# Altium PCB PCB.PcbDoc (part 1 of 10) (continued)
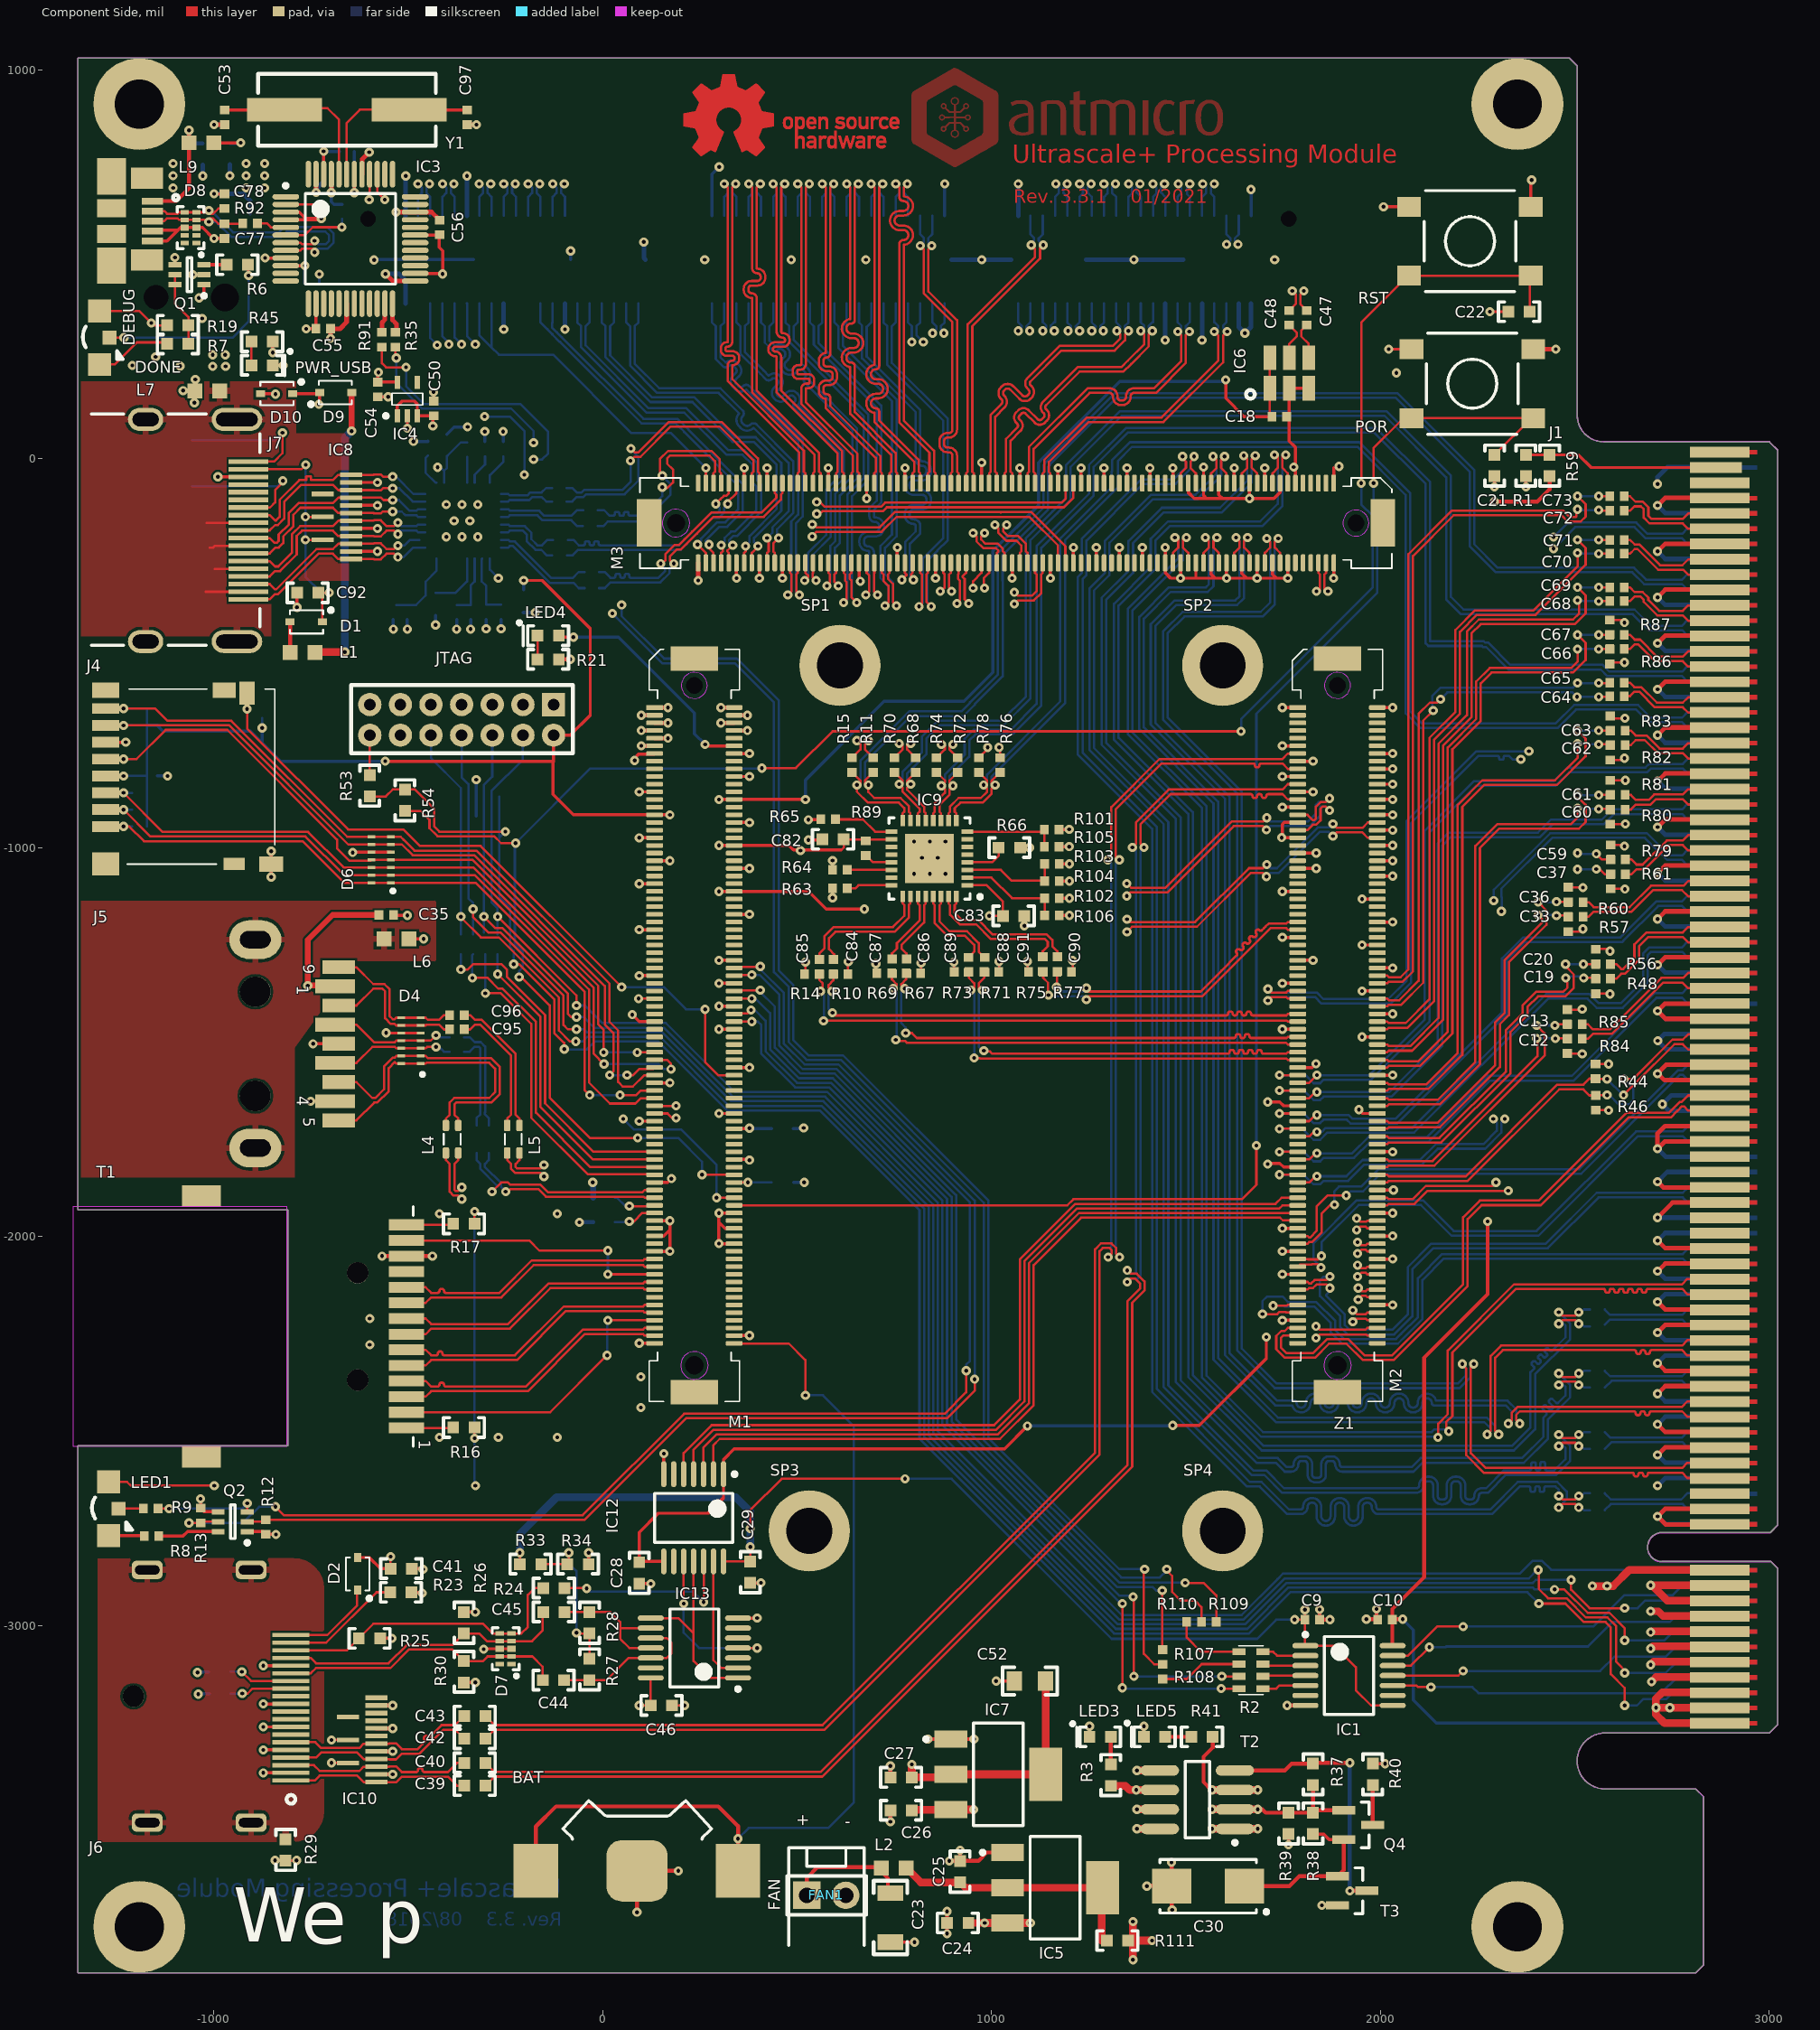
[diagram p0: Component Side view]
## Classes and differential pairs (continued)
differential pair LVDS_S1_D1: +LVDS_S1_D1_P -LVDS_S1_D1_N
differential pair LVDS_S1_CTRL: +LVDS_S1_CTRL_P -LVDS_S1_CTRL_N
differential pair USB_SS_TX: +USB_SS_TX_P -USB_SS_TX_N
differential pair USB_SS_RX: +USB_SS_RX_P -USB_SS_RX_N
differential pair PREPROC_C_LVDS_9: +PREPROC_C_LVDS_9_P -PREPROC_C_LVDS_9_N
differential pair DP3_M2C: +DP3_M2C_P -DP3_M2C_N
differential pair DP2_M2C: +DP2_M2C_P -DP2_M2C_N
differential pair DP1_M2C: +DP1_M2C_P -DP1_M2C_N
differential pair DP0_M2C: +DP0_M2C_P -DP0_M2C_N
differential pair PREPROC_LVDS_10: +PREPROC_LVDS_10_P -PREPROC_LVDS_10_N
differential pair DUMMY_4: +DUMMY_4_P -DUMMY_4_N
differential pair DUMMY_3: +DUMMY_3_P -DUMMY_3_N
differential pair DUMMY_2: +DUMMY_2_P -DUMMY_2_N
differential pair DUMMY_1: +DUMMY_1_P -DUMMY_1_N
differential pair US_PROC_LVDS_C_4_SSCLK: +US_PROC_LVDS_C_4_SSCLK_P -US_PROC_LVDS_C_4_SSCLK_N
differential pair US_PROC_LVDS_C_3: +US_PROC_LVDS_C_3_P -US_PROC_LVDS_C_3_N
differential pair US_PROC_LVDS_C_2: +US_PROC_LVDS_C_2_P -US_PROC_LVDS_C_2_N
differential pair US_PROC_LVDS_C_1: +US_PROC_LVDS_C_1_P -US_PROC_LVDS_C_1_N
differential pair US_HDMI_C_D2: +US_HDMI_C_D2_P -US_HDMI_C_D2_N
differential pair US_HDMI_C_D1: +US_HDMI_C_D1_P -US_HDMI_C_D1_N
differential pair US_HDMI_C_D0: +US_HDMI_C_D0_P -US_HDMI_C_D0_N
differential pair US_HDMI_C_CLK: +US_HDMI_C_CLK_P -US_HDMI_C_CLK_N
differential pair GBT_CLK0_M2C_C: +GBT_CLK0_M2C_C_P -GBT_CLK0_M2C_C_N
differential pair PROC_LVDS_SSCLK: +PROC_LVDS_SSCLK_P -PROC_LVDS_SSCLK_N
differential pair PROC_LVDS_9: +PROC_LVDS_9_P -PROC_LVDS_9_N
differential pair PROC_LVDS_8: +PROC_LVDS_8_P -PROC_LVDS_8_N
differential pair PROC_LVDS_7: +PROC_LVDS_7_P -PROC_LVDS_7_N
differential pair PROC_LVDS_6: +PROC_LVDS_6_P -PROC_LVDS_6_N
differential pair PROC_LVDS_5: +PROC_LVDS_5_P -PROC_LVDS_5_N
differential pair PROC_LVDS_4_SSCLK: +PROC_LVDS_4_SSCLK_P -PROC_LVDS_4_SSCLK_N
differential pair PROC_LVDS_3: +PROC_LVDS_3_P -PROC_LVDS_3_N
differential pair PROC_LVDS_2: +PROC_LVDS_2_P -PROC_LVDS_2_N
differential pair PROC_LVDS_1: +PROC_LVDS_1_P -PROC_LVDS_1_N
differential pair PREPROC_LVDS_SSCLK: +PREPROC_LVDS_SSCLK_P -PREPROC_LVDS_SSCLK_N
differential pair PREPROC_LVDS_9: +PREPROC_LVDS_9_P -PREPROC_LVDS_9_N
differential pair PREPROC_LVDS_8: +PREPROC_LVDS_8_P -PREPROC_LVDS_8_N
differential pair PREPROC_LVDS_7: +PREPROC_LVDS_7_P -PREPROC_LVDS_7_N
differential pair PREPROC_LVDS_6: +PREPROC_LVDS_6_P -PREPROC_LVDS_6_N
differential pair PREPROC_LVDS_5: +PREPROC_LVDS_5_P -PREPROC_LVDS_5_N
differential pair USB_TX_L: +USB_TX_L_P -USB_TX_L_N
differential pair DP3_C: +DP0_C_P -DP0_C_N
differential pair DP2_C: +DP1_C_P -DP1_C_N
differential pair DP1_C: +DP2_C_P -DP2_C_N
differential pair DP0_C: +DP3_C_P -DP3_C_N
differential pair DP0_C2M: +DP0_C2M_P -DP0_C2M_N
differential pair DP1_C2M: +DP1_C2M_P -DP1_C2M_N
differential pair DP2_C2M: +DP2_C2M_P -DP2_C2M_N
differential pair DP3_C2M: +DP3_C2M_P -DP3_C2M_N
differential pair ETH_A: +ETH_A_P -ETH_A_N
differential pair ETH_B: +ETH_B_P -ETH_B_N
differential pair ETH_C: +ETH_C_P -ETH_C_N
differential pair ETH_D: +ETH_D_P -ETH_D_N
differential pair GBT_CLK0_M2C: +GBT_CLK0_M2C_P -GBT_CLK0_M2C_N
differential pair US_HDMI_CLK: +US_HDMI_D2_P -US_HDMI_D2_N
differential pair US_HDMI_D0: +US_HDMI_D1_P -US_HDMI_D1_N
differential pair US_HDMI_D1: +US_HDMI_D0_P -US_HDMI_D0_N
differential pair US_HDMI_D2: +US_HDMI_CLK_P -US_HDMI_CLK_N
differential pair USB_D_L: +USB_D_L_P -USB_D_L_N
differential pair USB_RX_L: +USB_RX_L_P -USB_RX_L_N
differential pair PROC_LVDS_0: +PROC_LVDS_0_P -PROC_LVDS_0_N
differential pair DP_AUX_C: +DP_AUX_C_P -DP_AUX_C_N
differential pair DP_AUX: +DP_AUX_P -DP_AUX_N
differential pair GT0_DP_TX_C: +GT0_DP_TX_C_P -GT0_DP_TX_C_N
differential pair GT1_DP_TX_C: +GT1_DP_TX_C_P -GT1_DP_TX_C_N
differential pair GT0_DP_TX: +GT0_DP_TX_P -GT0_DP_TX_N
differential pair GT1_DP_TX: +GT1_DP_TX_P -GT1_DP_TX_N
differential pair PREPROC_C_LVDS_0: +PREPROC_C_LVDS_0_P -PREPROC_C_LVDS_0_N
differential pair PREPROC_C_LVDS_1: +PREPROC_C_LVDS_1_P -PREPROC_C_LVDS_1_N
differential pair PREPROC_C_LVDS_2: +PREPROC_C_LVDS_2_P -PREPROC_C_LVDS_2_N
differential pair PREPROC_C_LVDS_3: +PREPROC_C_LVDS_3_P -PREPROC_C_LVDS_3_N
differential pair PREPROC_C_LVDS_4_SSCLK: +PREPROC_C_LVDS_4_SSCLK_P -PREPROC_C_LVDS_4_SSCLK_N
differential pair PREPROC_C_LVDS_5: +PREPROC_C_LVDS_5_P -PREPROC_C_LVDS_5_N
differential pair PREPROC_C_LVDS_6: +PREPROC_C_LVDS_6_P -PREPROC_C_LVDS_6_N
differential pair PREPROC_C_LVDS_7: +PREPROC_C_LVDS_7_P -PREPROC_C_LVDS_7_N
differential pair PREPROC_C_LVDS_8: +PREPROC_C_LVDS_8_P -PREPROC_C_LVDS_8_N
differential pair PREPROC_C_LVDS_SSCLK: +PREPROC_C_LVDS_SSCLK_P -PREPROC_C_LVDS_SSCLK_N
differential pair PREPROC_LVDS_0: +PREPROC_LVDS_0_P -PREPROC_LVDS_0_N
differential pair PREPROC_LVDS_1: +PREPROC_LVDS_1_P -PREPROC_LVDS_1_N
differential pair PREPROC_LVDS_2: +PREPROC_LVDS_2_P -PREPROC_LVDS_2_N
differential pair PREPROC_LVDS_3: +PREPROC_LVDS_3_P -PREPROC_LVDS_3_N
differential pair PREPROC_LVDS_4_SSCLK: +PREPROC_LVDS_4_SSCLK_P -PREPROC_LVDS_4_SSCLK_N
differential pair HDMI_OUT_CLK: +HDMI_OUT_CLK_P -HDMI_OUT_CLK_N
differential pair HDMI_OUT_D0: +HDMI_OUT_D0_P -HDMI_OUT_D0_N
differential pair HDMI_OUT_D1: +HDMI_OUT_D1_P -HDMI_OUT_D1_N
differential pair HDMI_OUT_D2: +HDMI_OUT_D2_P -HDMI_OUT_D2_N
differential pair US_PROC_LVDS_1: +US_PROC_LVDS_1_P -US_PROC_LVDS_1_N
differential pair US_PROC_LVDS_2: +US_PROC_LVDS_2_P -US_PROC_LVDS_2_N
differential pair US_PROC_LVDS_3: +US_PROC_LVDS_3_P -US_PROC_LVDS_3_N
differential pair US_PROC_LVDS_4_SSCLK: +US_PROC_LVDS_4_SSCLK_P -US_PROC_LVDS_4_SSCLK_N
differential pair DEBUG_USB_D: +DEBUG_USB_D_P -DEBUG_USB_D_N
differential pair USB_D: +USB_D_P -USB_D_N
differential pair S3_P2: +S3_P2_P -S3_P2_N
differential pair PREPROC_LVDS_11: +PREPROC_LVDS_11_P -PREPROC_LVDS_11_N
differential pair PREPROC_LVDS_12: +PREPROC_LVDS_12_P -PREPROC_LVDS_12_N
differential pair PREPROC_LVDS_13: +PREPROC_LVDS_13_P -PREPROC_LVDS_13_N
differential pair PREPROC_LVDS_14: +PREPROC_LVDS_14_P -PREPROC_LVDS_14_N
differential pair PREPROC_LVDS_15: +PREPROC_LVDS_15_P -PREPROC_LVDS_15_N
differential pair C_USB_D_L: +C_USB_D_L_P -C_USB_D_L_N
differential pair C_USB_TX_L: +C_USB_TX_L_P -C_USB_TX_L_N

## Components (designator, comment, footprint, x,y, rotation, side; value= is the part's Value field where it differs from the comment)
BAT "3030" KEYSTONE_CR1025 88.58,-3629.92 r180 top
BS0 "*" Testpad 2173.23,-3157.48 r90 bottom
BS1 "*" Testpad 2259.84,-3116.14 r180 bottom
BS2 "*" Testpad 2169.29,-3053.15 r90 bottom
BS3 "*" Testpad 2259.84,-3001.97 r90 bottom
C1 "100n" 0402 2557.87,-2702.76 r180 bottom
C2 "100n" 0402 2557.87,-2659.45 r180 bottom
C3 "100n" 0402 2557.87,-2545.28 r180 bottom
C4 "100n" 0402 2557.87,-2501.97 r180 bottom
C5 "100n" 0402 2557.87,-2387.8 r180 bottom
C6 "100n" 0402 2557.87,-2344.49 r180 bottom
C7 "100n" 0402 2557.87,-2226.38 r180 bottom
C8 "100n" 0402 2557.87,-2187.01 r180 bottom
C9 "100n" 0402 1824.8,-2984.25 r180 top
C10 "100n" 0402 2011.81,-2984.25 r0 top
C11 "100n" 0603#1 -398,35.59 r270 bottom
C12 "100n" 0402 2500,-1491.34 r180 top
C13 "100n" 0402 2499.8,-1453.8 r180 top
C14 "100n" 0603#1 -202.76,-368.11 r90 bottom
C15 "1u" 0603#1 -1172,-815.43 r180 bottom
C16 "100n" 0402 -111,-110.24 r180 bottom
C17 "100n" 0402 -111,-75 r180 bottom
C18 "100n" 0402 1740.16,108.27 r180 top
C19 "100n" 0402 2572.64,-1336.61 r180 top
C20 "100n" 0402 2572.64,-1299.21 r180 top
C21 "100n" 0603#1 2293.31,-17.72 r90 top
C22 "100n" 0603#1 2356.3,377.95 r0 top
C23 "47u" 1206 740.22,-3750 r90 top
C24 "4u7" 0603#1 913.39,-3763.78 r0 top
C25 "4u7" 0603#1 919.29,-3631.89 r270 top
C26 "4u7" 0603#1 767.72,-3474.41 r0 top
C27 "4u7" 0603#1 767.72,-3389.76 r0 top
C28 "100n" 0603#1 94.49,-2864.17 r90 top
C29 "100n" 0603#1 379.92,-2862.2 r90 top
C30 "" KEMET_C 1557.09,-3669.29 r180 top
C31 "100n" 0402 -31.5,-173.23 r180 bottom
C32 "100n" 0402 -30.66,-131.89 r180 bottom
C33 "100n" 0402 2501.97,-1177.17 r180 top
C34 "100n" 0402 -110.24,-248.03 r180 bottom
C35 "100n" 0402 -556,-1173 r180 top
C36 "100n" 0402 2501.97,-1139.76 r180 top
C37 "100n" 0402 2611.02,-1067.85 r180 top
C39 "100n" 0603#1 -328.43,-3410.87 r180 top
C40 "100n" 0603#1 -328.43,-3352.53 r180 top
C41 "100n" 0603#1 -517.43,-2853.24 r0 top
C42 "100n" 0603#1 -328.43,-3290.26 r180 top
C43 "100n" 0603#1 -328.43,-3231.93 r180 top
C44 "100n" 0603#1 -125.98,-3139.76 r180 top
C45 "100n" 0603#1 -125,-2964.63 r180 top
C46 "100n" 0603#1 151.57,-3204.72 r180 top
C47 "100n" 0402 1811.02,362.2 r90 top
C48 "100n" 0402 1765.75,362.2 r90 top
C49 "100n" 0603#1 -958,783 r90 bottom
C50 "100n" 0402 -434.32,128.94 r270 top
C52 "100u" 0805 1099,-3142 r0 top
C53 "18p" 0402 -971.16,877.44 r90 top
C54 "100n" 0402 -577.38,178 r90 top
C55 "100n" 0402 -718,334 r180 top
C56 "100n" 0402 -419,594.53 r270 top
C57 "100n" 0402 -747,450 r180 bottom
C59 "100n" 0402 2611.02,-1030.45 r180 top
C60 "100n" 0402 2610.28,-901.71 r180 top
C61 "100n" 0402 2610.28,-864.31 r180 top
C62 "100n" 0402 2610.24,-736.22 r180 top
C63 "100n" 0402 2610.24,-698.82 r180 top
C64 "100n" 0402 2608.27,-610.24 r180 top
C65 "100n" 0402 2608.27,-575.87 r180 top
C66 "100n" 0402 2608.27,-489.24 r180 top
C67 "100n" 0402 2608.27,-452.76 r180 top
C68 "100n" 0402 2608.27,-366.14 r180 top
C69 "100n" 0402 2608.27,-330.71 r180 top
C70 "100n" 0402 2608.27,-244.1 r180 top
C71 "100n" 0402 2608.27,-208.66 r180 top
C72 "100n" 0402 2608.27,-133.86 r180 top
C73 "100n" 0402 2608.27,-96.46 r180 top
C74 "100n" 0402 -716.9,731.34 r90 bottom
C75 "100n" 0402 -670,634.88 r270 bottom
C76 "10n" 0603#1 -1028,783 r270 bottom
C77 "47p" 0402 -972,585 r90 top
C78 "47p" 0402 -972,662 r270 top
C79 "100n" 0402 -108.27,-208.66 r180 bottom
C80 "100n" 0402 -27.56,-332.68 r180 bottom
C81 "100n" 0402 -27.56,-291.34 r180 bottom
C82 "100n" 0603#1 592.63,-978.35 r0 top
C83 "100n" 0603#1 1057.14,-1175.2 r180 top
C84 "100n" 0402 594,-1306 r90 top
C85 "100n" 0402 557.35,-1306 r90 top
C86 "100n" 0402 781.55,-1304.92 r90 top
C87 "100n" 0402 744.15,-1304.92 r90 top
C88 "100n" 0402 982.34,-1300.98 r90 top
C89 "100n" 0402 941,-1300.98 r90 top
C90 "100n" 0402 1169.35,-1299.21 r90 top
C91 "100n" 0402 1131.94,-1299.21 r90 top
C92 "1u" 0603#1 -757.87,-344.49 r0 top
C95 "100n" 0402 -374.3,-1467.05 r180 top
C96 "100n" 0402 -374.3,-1430.05 r180 top
C97 "18p" 0402 -348.16,877.44 r90 top
D1 "1N4148WS" SOD-323 -761.81,-419.29 r270 top
D2 "1N4148WS" SOD-323 -629.53,-2866 r180 top
D3 "TPD6E05U06" TPD6E05U06_PASS -305.12,-893.7 r180 bottom
D4 "TPD6E05U06" TPD6E05U06_PASS -492.4,-1496 r90 top
D6 "TPD6E05U06" TPD6E05U06_PASS -569,-1031 r90 top
D7 "TPD4E05U06" TPD4E05U06_PASS -249,-3059 r90 top
D8 "TPD4E05U06" TPD4E05U06_PASS -1059,594 r90 top
D9 "1N4148WS" SOD-323 -686,170 r90 top
D10 "1N4148WS" SOD-323 -838,167.4 r270 top
DEBUG "Molex 47346-0001" CON-Molex-047346-0001 -1207,611 r0 top
DONE "KPBA-3010SURKMGKC" 3010SURKMGKC -1293.31,311.02 r90 top
FAN "*" "HEADER_1X2_male 2.54mm Angle" 525.59,-3692.91 r0 top
FAN1 "MX-22-23-2021" molex_2223-2021 575.59,-3692.91 r0 top
IC1 "NTS0104PW" TSSOP-14 1919.29,-3127.95 r0 top
IC2 "PTN3363BSMP" QFN-32 -358.27,-159.45 r90 bottom
IC3 "FT2232D" LQFP-48 -648,565 r0 top
IC4 "TLV70033DCKT" SC70-5 -527.38,110 r90 top
IC5 "AP1117E50G-13" SOT223 1163.39,-3673.23 r270 top
IC6 "EG-2102CB" EG-2102CB 1765.75,220.47 r0 top
IC7 "AP1117E50G-13" SOT223 1017.72,-3381.89 r270 top
IC8 "TPD8S009" SON-15 -683.07,-149.61 r270 top
IC9 "PTN3363BSMP" QFN-32 840.61,-1027.56 r180 top
IC10 "TPD8S009" SON-15 -618.11,-3293.31 r270 top
IC12 "NTS0104PW" TSSOP-14 234.25,-2722.44 r270 top
IC13 "FIN1019MTCX" TSSOP-14 236.22,-3057.09 r180 top
J1 "PCIe x16" PCIe_x16_card_edge 3023.62,-3276.38 r90 top locked
J2 "QSE-060-01-L-D-A" QSE-060-01-L-D-A 580.71,511.81 r180 bottom locked
J3 "694106106102" 694106106102 -1148,415 r0 bottom
J4 "114-00841-68" 114-00841-68 -1243,-1042 r270 top locked
J5 "692122030100" WE_692122030100 -785.43,-1503.94 r270 top
J6 "0472720001" CON-Molex-047272-0001 -903.54,-2856.3 r270 top
J7 "" Molex_HDMI_471511001 -1042.36,-184.46 r270 top
JTAG "Molex-87831-1420" CON-Molex-87831-1420 -125.98,-631.89 r180 top
L1 "BLM18SG121TN1D" 0603#2 -771,-498 r180 top
L2 "BLM18EG221SN1D" 0603#2 749,-3622.39 r180 top
L3 "DLW21SN900SQ2" DLW21SN900SQ2 -308,-1749 r90 bottom
L4 "DLW21SN900SQ2" DLW21SN900SQ2 -386.77,-1749.25 r270 top
L5 "DLW21SN900SQ2" DLW21SN900SQ2 -229.29,-1749.25 r90 top
L6 "BLM18SG121TN1D" 0603#2 -529.53,-1234.25 r0 top
L7 "BLM18SG121TN1D" 0603#2 -1016,174 r0 top
L9 "BLM18SG121TN1D" 0603#2 -1031,812 r180 top
LED1 "KPBA-3010SURKMGKC" 3010SURKMGKC -1269.68,-2698.82 r90 top
LED3 "KPT-1608SGC" LED0603 1279.53,-3285.43 r180 top
LED4 "KPT-1608SGC" LED0603 -139.76,-454.72 r180 top
LED5 "KPT-1608SGC" LED0603 1419.29,-3285.43 r180 top
M1 "FX10A-168P-SV(71)" HIROSE_FX10A-168P-SV(71) 236.22,-1456.69 r270 top
M2 "FX10A-168P-SV(71)" HIROSE_FX10A-168P-SV(71) 1889.76,-1456.69 r270 top
M3 "FX10A-168P-SV(71)" HIROSE_FX10A-168P-SV(71) 1062.99,-165.35 r180 top locked
POR "B3S-100X" B3S-100X 2236.22,192.91 r0 top
PWR_USB "KPT-1608SGC" LED0603 -875,240 r0 top
Q1 "PMGD780SN" SOT-363 -1062,473 r180 top
Q2 "PMGD780SN" SOT-363 -950.79,-2732.28 r180 top
Q4 "PMV32UP" SOT-23 1942.91,-3511.81 r0 top
R1 "10k" 0603#1 2374.02,-17.72 r90 top
R2 "22R" BOURNS-CAY16-J4 1667.32,-3114.17 r270 top
R3 "470R" 0603#1 1307.09,-3383.86 r270 top
R4 "10k" 0402 -255.5,24.59 r90 bottom
R5 "10k" 0402 -302.3,24.59 r90 bottom
R6 "330R" 0603#1 -939,498.59 r180 top
R7 "330R" 0603#1 -1092,295 r0 top
R8 "330R" 0402 -1159.45,-2769.69 r180 top
R9 "330R" 0402 -1161.42,-2698.82 r180 top
R10 "0R" 0402 612.35,-1325 r0 top
R11 "0R" 0402 696.06,-787.4 r270 top
R12 "10k" 0402 -866.14,-2746.06 r90 top
R13 "10k" 0402 -1033.46,-2716.54 r270 top
R14 "0R" 0402 538.35,-1325 r180 top
R15 "0R" 0402 641.79,-787.4 r270 top
R16 "150R" 0603#1 -356.3,-2490.16 r0 top
R17 "150R" 0603#1 -356.3,-1966.54 r0 top
R18 "0R" 0603#1 3.94,-1962.6 r180 bottom
R19 "10k" 0603#1 -1092,343 r180 top
R20 "10k" 0402 -894,-666 r0 bottom
R21 "330R" 0603#1 -139.76,-515.75 r0 top
R22 "10k" 0402 -454,26.53 r90 bottom
R23 "0R" 0603#1 -518.37,-2913.87 r0 top
R24 "10R" 0603#1 -125,-2903 r0 top
R25 "100k" 0603#1 -599.06,-3032.19 r180 top
R26 "100k" 0603#1 -356.3,-2992.13 r90 top
R27 "50R" 0603#1 -33.46,-3112.2 r270 top
R28 "50R" 0603#1 -33.46,-2992.13 r270 top
R29 "0R" 0603#1 -814.96,-3576.08 r270 top
R30 "100k" 0603#1 -356.3,-3118.11 r90 top
R31 "1M" 0603#1 -983.62,-3174.02 r0 bottom
R32 "1M" 0603#1 -983.62,-3117.95 r0 bottom
R33 "2k49" 0603#1 -185.04,-2841.61 r180 top
R34 "1k5" 0603#1 -62.99,-2841.61 r180 top
R35 "22R" 0402 -533,306 r90 top
R36 "470R" 0402 -657,790 r180 bottom
R37 "100k" 0603#1 1826.77,-3381.89 r270 top
R38 "100k" 0603#1 1826.77,-3507.87 r90 top
R39 "100k" 0603#1 1763.78,-3507.87 r90 top
R40 "100R" 0603#1 1980.32,-3381.89 r270 top
R41 "470R" 0603#1 1541.34,-3285.43 r0 top
R42 "10k" 0402 -1190.39,-642 r0 bottom
R43 "10k" 0402 -1190.39,-685.5 r0 bottom
R44 "0R" 0402 2553.15,-1574.8 r270 top
R45 "470R" 0603#1 -875,301 r0 top
R46 "0R" 0402 2553.74,-1655.51 r90 top
R47 "10k" 0402 -1190.39,-772 r0 bottom
R48 "0R" 0402 2553.94,-1356.3 r90 top
R49 "10k" 0402 -1190.39,-858.73 r0 bottom
R50 "10k" 0402 -1190.39,-902 r0 bottom
R51 "10k" 0402 -1190,-944.88 r0 bottom
R52 "10k" 0603#1 3.94,-1899.61 r180 bottom
R53 "0R" 0603#1 -598.43,-840.55 r270 top
R54 "22R" 0603#1 -507.87,-877.95 r270 top
R55 "0R" 0603#1 462.6,-1860.24 r0 bottom
R56 "0R" 0402 2553.94,-1279.53 r270 top
R57 "0R" 0402 2483.07,-1196.85 r90 top
R58 "0R" 0603#1 452,-1720 r0 bottom
R59 "0R" 0603#1 2435.04,-17.72 r90 top
R60 "0R" 0402 2483.07,-1120.08 r270 top
R61 "0R" 0402 2592.13,-1086.61 r90 top
R62 "12k4" 0603#1 -429.13,-372.05 r90 bottom
R63 "10k" 0402 610.29,-1104.33 r180 top
R64 "10k" 0402 610.29,-1057.09 r180 top
R65 "10k" 0402 580,-927.17 r180 top
R66 "12k4" 0603#1 1046,-999.77 r180 top
R67 "0R" 0402 799.27,-1322.84 r0 top
R68 "0R" 0402 804.61,-787.4 r270 top
R69 "0R" 0402 724.46,-1322.84 r180 top
R70 "0R" 0402 750.34,-787.4 r270 top
R71 "0R" 0402 1000.06,-1318.9 r0 top
R72 "0R" 0402 913.16,-787.4 r270 top
R73 "0R" 0402 923.23,-1318.9 r180 top
R74 "0R" 0402 858.89,-787.4 r270 top
R75 "0R" 0402 1114.23,-1318.9 r180 top
R76 "0R" 0402 1021.71,-787.4 r270 top
R77 "0R" 0402 1187.06,-1318.9 r0 top
R78 "0R" 0402 967.43,-787.4 r270 top
R79 "0R" 0402 2592.13,-1011.81 r270 top
R80 "0R" 0402 2591.38,-920.74 r90 top
R81 "0R" 0402 2591.38,-845.93 r270 top
R82 "0R" 0402 2591.38,-755.91 r90 top
R83 "0R" 0402 2591.38,-680.31 r270 top
R84 "0R" 0402 2481.1,-1509.84 r90 top
R85 "0R" 0402 2480.91,-1435.04 r270 top
R86 "0R" 0402 2589.37,-508.91 r90 top
R87 "0R" 0402 2589.37,-433.07 r270 top
R88 "10k" 0402 -348.43,23 r270 bottom
R89 "10k" 0402 676.8,-1001 r270 top
R90 "0R" 0402 -374.3,-1491.12 r180 bottom
R91 "22R" 0402 -567,306 r90 top
R92 "1k54" 0402 -906,605 r0 top
R93 "10k" 0402 -752,634.88 r270 bottom
R94 "0R" 0402 -374.77,-1524.05 r180 bottom
R95 "0R" 0402 -501.97,-395 r270 bottom
R96 "0R" 0402 -298.97,-393.9 r270 bottom
R97 "0R" 0402 -374.92,-393.9 r270 bottom
R98 "0R" 0402 -336.95,-393.9 r90 bottom
R99 "0R" 0402 -538,-395 r90 bottom
R100 "0R" 0402 -261,-393.9 r90 bottom
R101 "0R" 0402 1155,-953 r0 top
R102 "0R" 0402 1155.57,-1129.8 r0 top
R103 "0R" 0402 1155.57,-1041.4 r0 top
R104 "0R" 0402 1155.57,-1085.6 r180 top
R105 "0R" 0402 1155,-997.2 r180 top
R106 "0R" 0402 1155.57,-1174 r180 top
R107 "0R" 0402 1440,-3080.09 r90 top
R108 "0R" 0402 1440,-3117.9 r90 top
R109 "0R" 0402 1559,-2990 r0 top
R110 "0R" 0402 1521,-2990 r0 top
R111 "0R" 0603#1 1323.84,-3809.12 r180 top
RA1 "22R" RA_1206 -364.17,-1222.44 r270 bottom
RST "B3S-100X" B3S-100X 2230.32,559.06 r0 top
SP1 "9774040243" M2-4mm 610.24,-531.5 r0 top locked
SP2 "9774040243" M2-4mm 1594.49,-531.5 r0 top locked
SP3 "9774040243" M2-4mm 531.5,-2755.91 r0 top locked
SP4 "9774040243" M2-4mm 1594.49,-2755.91 r0 top locked
T1 "7498111120R" 7498111120R -1031.5,-2230.32 r270 top
T2 "SI4447DY-T1-E3" SOIC-SN8_M 1529.53,-3446.85 r180 top
T3 "BSS138AKA" SOT-23 1927.17,-3681.1 r0 top
TP1 "*" Testpad -1055.12,-70.87 r180 bottom
TP2 "*" Testpad -1055.12,47.24 r90 bottom
Y1 "LFXTAL026900" crystal_smd -497.16,897 r180 top
Z1 "Mechanical" mercury_74x54_module 1062.99,-1456.69 r270 top locked

## Footprints (in the part's own frame and the unit in brackets; to place one, negate y for a bottom-side part, rotate by r counter-clockwise, add the part's x,y. Pads: shape width x height; smd on the part's side, far side on the other; paste and mask are expansions set on the pad)
114-00841-68 [mm]
  rect 0.7x1.75 smd: 1(-2.455,-0.874) 2(-3.555,-0.874) 3(-4.655,-0.874) 4(-5.755,-0.874) 5(-6.855,-0.874) 6(-7.955,-0.874) 7(-9.055,-0.874) 8(-10.155,-0.874)
  rect 1.5x1 smd: 9(-11.155,8.365)
  rect 1x1.55 smd: 10(0.005,9.94)
  rect 1x1.5 smd: M(-11.355,6.865)
  rect 1x1.75 smd: M(-11.355,-0.874)
  rect 0.8x1.4 smd: M(-0.005,7.515)
  rect 1.5x1.75 smd: M(-0.005,-0.874)
  silkscreen extent -11.42,0.52 0.01,10.17, body extent -11.63,-1.38 0.37,10.22, height 1.6
0402 [mm]
  rect 0.57x0.62 smd: 1(-0.48,0) 2(0.48,0)
  body extent -0.55,-0.3 0.55,0.3, height 0.5
0603#1 [mil]
  rect 30x30 smd: 1(-27.5,0) 2(27.5,0)
  silkscreen extent -53,-25 53,25, body extent -30,-15 30,15, height 31
0603#2 [mil] "Chip Inductor Ferrite Bead 0603"
  rect 38.19x37.8 smd: 1(-32.09,0) 2(32.09,0)
  body extent -34,-19 34,19, height 24
0805 [mil]
  rect 40x50 smd: 1(-40,0) 2(40,0)
  silkscreen extent -70,-35 70,35, body extent -59,-27 59,28, height 37
1206 [mm]
  rect 1.016x1.7 smd: 1(-1.6,0) 2(1.6,0)
  silkscreen extent -2.4,-1.1 2.4,1.1, body extent -2.1,-0.89 2.1,0.91, height 0.95
3010SURKMGKC [mm]
  rect 1.5x1.5 smd: 1(1.75,0) 3(-1.75,0)
  rect 0.9x0.9 smd: 2(0,-0.65)
  silkscreen extent -1.4,-1.52 0.73,1.09
7498111120R [mm] "WE-RJ45LAN 1000Base-T, SMT"
  rect 0.71x2.29 smd: 1(6.63,13.39) 2(5.61,13.39) 3(4.59,13.39) 4(3.57,13.39) 5(2.55,13.39) 6(1.53,13.39) 7(0.51,13.39) 8(-0.51,13.39) 9(-1.53,13.39) 10(-2.55,13.39) 11(-3.57,13.39) 12(-4.59,13.39) 13(-5.61,13.39) 14(-6.63,13.39)
  rect 1.4x2.54 smd: ""(-8.51,0) ""(8.51,0)
  round 1.4 hole 1.4 unplated paste+0: ""(-3.5,10.21) ""(3.5,10.21)
  Keep-Out Layer board cut-out: -7.81,-8.37 7.81,-8.37 7.81,5.6 -7.81,5.6
  silkscreen extent -7.83,13.84 7.83,13.84, body extent -9.08,-8.02 9.07,14.46, height 10.1
694106106102 [mm] "WR-DC_DC Power Jack_Right Angled_SMT Center Pin ?2.0_Plug ID ?2.05_Plug OD ?5.5_with 4 Soldering Pag & Peg"
  rect 2x2 smd: 1(0,5.5) 1(6.15,5.5) 2(0,-5.5) 3(6.15,-5.5)
  round 1.4 hole 1.6 unplated: ""(0,0)
  round 1.6 hole 1.8 unplated: ""(4.5,0)
  silkscreen extent -5,-4.5 9.7,4.5, body extent -5,-6.25 9.7,6.25, height 11.05
B3S-100X [mm]
  rect 1.55x1.3 smd: 1(-3.975,2.25) 2(3.975,2.25) 3(-3.975,-2.25) 4(3.975,-2.25)
  silkscreen extent -3,-3.3 3,3.3, body extent -4.5,-3.3 4.5,3.3, height 4.4
BOURNS-CAY16-J4 [mm]
  rect 0.45x0.85 smd: 1(-1.2,-0.775) 2(-1.2,0.775) 3(-0.4,-0.775) 4(-0.4,0.775) 5(0.4,-0.775) 6(0.4,0.775) 7(1.2,-0.775) 8(1.2,0.775)
  silkscreen extent -1.6,-0.8 1.6,0.8, body extent -1.6,-0.8 1.6,0.8, height 0.5
CON-Molex-047272-0001 [mm]
  rect 0.28x2.4 smd: 1(13.75,2.6) 2(13.25,2.6) 3(12.75,2.6) 4(12.25,2.6) 5(11.75,2.6) 6(11.25,2.6) 7(10.75,2.6) 8(10.25,2.6) 9(9.75,2.6) 10(9.25,2.6) 11(8.75,2.6) 12(8.25,2.6) 13(7.75,2.6) 14(7.25,2.6) 15(6.75,2.6) 16(6.25,2.6) 17(5.75,2.6) 18(5.25,2.6) 19(4.75,2.6) 20(4.25,2.6)
  rrect50% 1.2x2 hole 0.6 slot 1.6 at 90 deg: 21(0,0) 22(16.5,0) 23(0,-6.78) 24(16.5,-6.78)
  round 1.4 hole 1.4 unplated: 25(8.25,-7.68)
  silkscreen extent 14.7,2.32 15.26,2.89, body extent -0.64,-12.06 17.14,2.83, height 6.66
CON-Molex-047346-0001 [mm]
  rect 1.38x0.45 smd: 1(1.263,1.3) 2(1.263,0.65) 3(1.263,0) 4(1.263,-0.65) 5(1.263,-1.3)
  rect 1.9x2.37 smd: M(-1.397,-2.91) M(-1.397,2.91)
  rect 1.9x1.175 smd: M(-1.397,-0.837) M(-1.397,0.837)
  rect 2.1x1.4 smd: M(0.903,-2.54) M(0.903,2.794)
  silkscreen extent 2.62,1.34 2.97,1.7, body extent -3.8,-3.99 1.63,3.99, height 2.71
CON-Molex-87831-1420 [mil]
  rect 60x60 hole 30: 1(0,0)
  round 60 hole 30: 2(0,78.74) 3(78.74,0) 4(78.74,78.74) 5(157.48,0) 6(157.48,78.74) 7(236.22,0) 8(236.22,78.74) 9(314.96,0) 10(314.96,78.74) 11(393.7,0) 12(393.7,78.74) 13(472.44,0) 14(472.44,78.74)
  silkscreen extent -50,-50 520,125, body extent -89,-86 567,162, height 252
crystal_smd [mil]
  rect 192.91x60 smd: 1(0,0) 2(320,0)
  silkscreen extent -68,-92 388,92, body extent -91,-98 413,92, height 169
DLW21SN900SQ2 [mm]
  rrect50% 0.75x0.42 smd: 1(-0.9,0.4) 2(-0.9,-0.4) 3(0.9,-0.4) 4(0.9,0.4)
  silkscreen extent -0.34,-0.55 0.34,0.55, body extent -1,-0.6 1,0.6, height 1.2
EG-2102CB [mm]
  rect 0.84x1.6 smd: 1(-1.27,-1) 2(0,-1) 3(1.27,-1) 4(1.27,1) 5(0,1) 6(-1.27,1)
  silkscreen extent -2.82,-1.68 -2.26,-1.11
"HEADER_1X2_male 2.54mm Angle" [mm] "Pinhead male 1x2 pitch 2.54mm angle"
  rect 1.8x1.8 hole 1.02: 1(0,0)
  round 1.8 hole 1.02: 2(2.54,0)
  silkscreen extent -1.27,-1.27 3.86,1.27, body extent -1.17,-0.32 3.71,10.82, height 2.13
HIROSE_FX10A-168P-SV(71) [mm] "Mercury FPGA baseboard header - 168pins - 4mm mating height"
  rect 0.3x1.1 smd: 1(-20.75,-2.6)
  rrect50% 0.3x1.1 smd: 2(-20.75,2.6) 3(-20.25,-2.6) 4(-20.25,2.6) 5(-19.75,-2.6) 6(-19.75,2.6) 7(-19.25,-2.6) 8(-19.25,2.6) 9(-18.75,-2.6) 10(-18.75,2.6) 11(-18.25,-2.6) 12(-18.25,2.6) 13(-17.75,-2.6) 14(-17.75,2.6) 15(-17.25,-2.6) 16(-17.25,2.6) 17(-16.75,-2.6) 18(-16.75,2.6) 19(-16.25,-2.6) 20(-16.25,2.6) 21(-15.75,-2.6) 22(-15.75,2.6) 23(-15.25,-2.6) 24(-15.25,2.6) 25(-14.75,-2.6) 26(-14.75,2.6) 27(-14.25,-2.6) 28(-14.25,2.6) 29(-13.75,-2.6) 30(-13.75,2.6) 31(-13.25,-2.6) 32(-13.25,2.6) 33(-12.75,-2.6) 34(-12.75,2.6) 35(-12.25,-2.6) 36(-12.25,2.6) 37(-11.75,-2.6) 38(-11.75,2.6) 39(-11.25,-2.6) 40(-11.25,2.6) 41(-10.75,-2.6) 42(-10.75,2.6) 43(-10.25,-2.6) 44(-10.25,2.6) 45(-9.75,-2.6) 46(-9.75,2.6) 47(-9.25,-2.6) 48(-9.25,2.6) 49(-8.75,-2.6) 50(-8.75,2.6) 51(-8.25,-2.6) 52(-8.25,2.6) 53(-7.75,-2.6) 54(-7.75,2.6) 55(-7.25,-2.6) 56(-7.25,2.6) 57(-6.75,-2.6) 58(-6.75,2.6) 59(-6.25,-2.6) 60(-6.25,2.6) 61(-5.75,-2.6) 62(-5.75,2.6) 63(-5.25,-2.6) 64(-5.25,2.6) 65(-4.75,-2.6) 66(-4.75,2.6) 67(-4.25,-2.6) 68(-4.25,2.6) 69(-3.75,-2.6) 70(-3.75,2.6) 71(-3.25,-2.6) 72(-3.25,2.6) 73(-2.75,-2.6) 74(-2.75,2.6) 75(-2.25,-2.6) 76(-2.25,2.6) 77(-1.75,-2.6) 78(-1.75,2.6) 79(-1.25,-2.6) 80(-1.25,2.6) 81(-0.75,-2.6) 82(-0.75,2.6) 83(-0.25,-2.6) 84(-0.25,2.6) 85(0.25,-2.6) 86(0.25,2.6) 87(0.75,-2.6) 88(0.75,2.6) 89(1.25,-2.6) 90(1.25,2.6) 91(1.75,-2.6) 92(1.75,2.6) 93(2.25,-2.6) 94(2.25,2.6) 95(2.75,-2.6) 96(2.75,2.6) 97(3.25,-2.6) 98(3.25,2.6) 99(3.75,-2.6) 100(3.75,2.6) 101(4.25,-2.6) 102(4.25,2.6) 103(4.75,-2.6) 104(4.75,2.6) 105(5.25,-2.6) 106(5.25,2.6) 107(5.75,-2.6) 108(5.75,2.6) 109(6.25,-2.6) 110(6.25,2.6) 111(6.75,-2.6) 112(6.75,2.6) 113(7.25,-2.6) 114(7.25,2.6) 115(7.75,-2.6) 116(7.75,2.6) 117(8.25,-2.6) 118(8.25,2.6) 119(8.75,-2.6) 120(8.75,2.6) 121(9.25,-2.6) 122(9.25,2.6) 123(9.75,-2.6) 124(9.75,2.6) 125(10.25,-2.6) 126(10.25,2.6) 127(10.75,-2.6) 128(10.75,2.6) 129(11.25,-2.6) 130(11.25,2.6) 131(11.75,-2.6) 132(11.75,2.6) 133(12.25,-2.6) 134(12.25,2.6) 135(12.75,-2.6) 136(12.75,2.6) 137(13.25,-2.6) 138(13.25,2.6) 139(13.75,-2.6) 140(13.75,2.6) 141(14.25,-2.6) 142(14.25,2.6) 143(14.75,-2.6) 144(14.75,2.6) 145(15.25,-2.6) 146(15.25,2.6) 147(15.75,-2.6) 148(15.75,2.6) 149(16.25,-2.6) 150(16.25,2.6) 151(16.75,-2.6) 152(16.75,2.6) 153(17.25,-2.6) 154(17.25,2.6) 155(17.75,-2.6) 156(17.75,2.6) 157(18.25,-2.6) 158(18.25,2.6) 159(18.75,-2.6) 160(18.75,2.6) 161(19.25,-2.6) 162(19.25,2.6) 163(19.75,-2.6) 164(19.75,2.6) 165(20.25,-2.6) 166(20.25,2.6) 167(20.75,-2.6) 168(20.75,2.6)
  round 0 hole 1.1 unplated: MTH(-22.2,0)
  round 0 hole 1.2 unplated: MTH(22.2,0)
  rect 1.6x3.1 smd: PAD(-23.95,0) PAD(23.95,0)
  Keep-Out Layer circle w0.01: c-22.2,0 r0.85
  Keep-Out Layer circle w0.01: c22.2,0 r0.9
  silkscreen extent -24.55,-2.95 24.55,2.95, body extent -24.55,-2.95 24.55,2.95, height 3.51
KEMET_C [mm] "Kemet type C package"
  rect 2.55x2.25 smd: 1(-2.375,0) 2(2.375,0)
  silkscreen extent -3.93,-1.75 3.15,1.8, body extent -3.15,-1.75 3.15,1.75, height 2.85
KEYSTONE_CR1025 [mm]
  rect 2.9x3.5 smd: +(-6.6,0) +(6.6,0)
  rrect50% 4x4 smd: -(0,0)
  silkscreen extent -4.88,-4.59 4.84,-2.06, body extent -8.05,-4.61 8.05,4, height 2.95
LED0603 [mil]
  rect 30x30 smd: A(-27.5,0) K(27.5,0)
  silkscreen extent -52,-25 52,25, body extent -33,-16 31,16, height 43
LQFP-48 [mm] "LQFP-48, 48-Leads, Body 7.25x7.25mm, Pitch 0.50mm, IPC Medium Density"
  oval 1.75x0.35 smd: 1(-4.225,2.75) 2(-4.225,2.25) 3(-4.225,1.75) 4(-4.225,1.25) 5(-4.225,0.75) 6(-4.225,0.25) 7(-4.225,-0.25) 8(-4.225,-0.75) 9(-4.225,-1.25) 10(-4.225,-1.75) 11(-4.225,-2.25) 12(-4.225,-2.75) 25(4.225,-2.75) 26(4.225,-2.25) 27(4.225,-1.75) 28(4.225,-1.25) 29(4.225,-0.75) 30(4.225,-0.25) 31(4.225,0.25) 32(4.225,0.75) 33(4.225,1.25) 34(4.225,1.75) 35(4.225,2.25) 36(4.225,2.75)
  oval 0.35x1.75 smd: 13(-2.75,-4.225) 14(-2.25,-4.225) 15(-1.75,-4.225) 16(-1.25,-4.225) 17(-0.75,-4.225) 18(-0.25,-4.225) 19(0.25,-4.225) 20(0.75,-4.225) 21(1.25,-4.225) 22(1.75,-4.225) 23(2.25,-4.225) 24(2.75,-4.225) 37(2.75,4.225) 38(2.25,4.225) 39(1.75,4.225) 40(1.25,4.225) 41(0.75,4.225) 42(0.25,4.225) 43(-0.25,4.225) 44(-0.75,4.225) 45(-1.25,4.225) 46(-1.75,4.225) 47(-2.25,4.225) 48(-2.75,4.225)
  silkscreen extent -4.35,-2.95 2.95,3.6, body extent -3.65,-3.65 3.65,3.65, height 1.6
M2-4mm [mm] "SMT Steel Spacer, M2 Thread Internal, 4mm"
  round 5.3 / inner round 0 / far side round 0 hole 3 paste-403.566: 1(0,0)
  body extent -2.17,-2.17 2.16,2.17, height 4
mercury_74x54_module [mil] "For module of 74 x 54 mm"
  body extent -1457,-1063 1457,1063, height 59
molex_2223-2021 [mm] "Pinhead male 1x2 pitch 2.54mm straight"
  rect 1.8x1.8 hole 1.02: 1(-1.27,0)
  round 1.8 hole 1.02: 2(1.27,0)
  silkscreen extent -2.46,-3.25 2.46,3.1, body extent -2.49,-3.2 2.44,3.15, height 10.68
Molex_HDMI_471511001 [mm] "HEADER, RIGHT ANGLE, HDMI"
  rect 0.3x2.6 smd: 1(4.5,3.36) 2(4,3.36) 3(3.5,3.36) 4(3,3.36) 5(2.5,3.36) 6(2,3.36) 7(1.5,3.36) 8(1,3.36) 9(0.5,3.36) 10(0,3.36) 11(-0.5,3.36) 12(-1,3.36) 13(-1.5,3.36) 14(-2,3.36) 15(-2.5,3.36) 16(-3,3.36) 17(-3.5,3.36) 18(-4,3.36) 19(-4.5,3.36)
  oval 1.5x2.3 hole 0.9 slot 1.7 at 90 deg: S(-7.25,-3.36) S(7.25,-3.36)
  oval 1.5x3.3 hole 0.9 slot 2.7 at 90 deg: S(-7.25,2.6) S(7.25,2.6)
  silkscreen extent -7.6,-6.9 7.5,4.1, body extent -7.55,-8.08 7.45,4.07, height 6.28